# Altium PCB LimePSB-RPCM_1v3.PcbDoc (part 4 of 10) (continued)
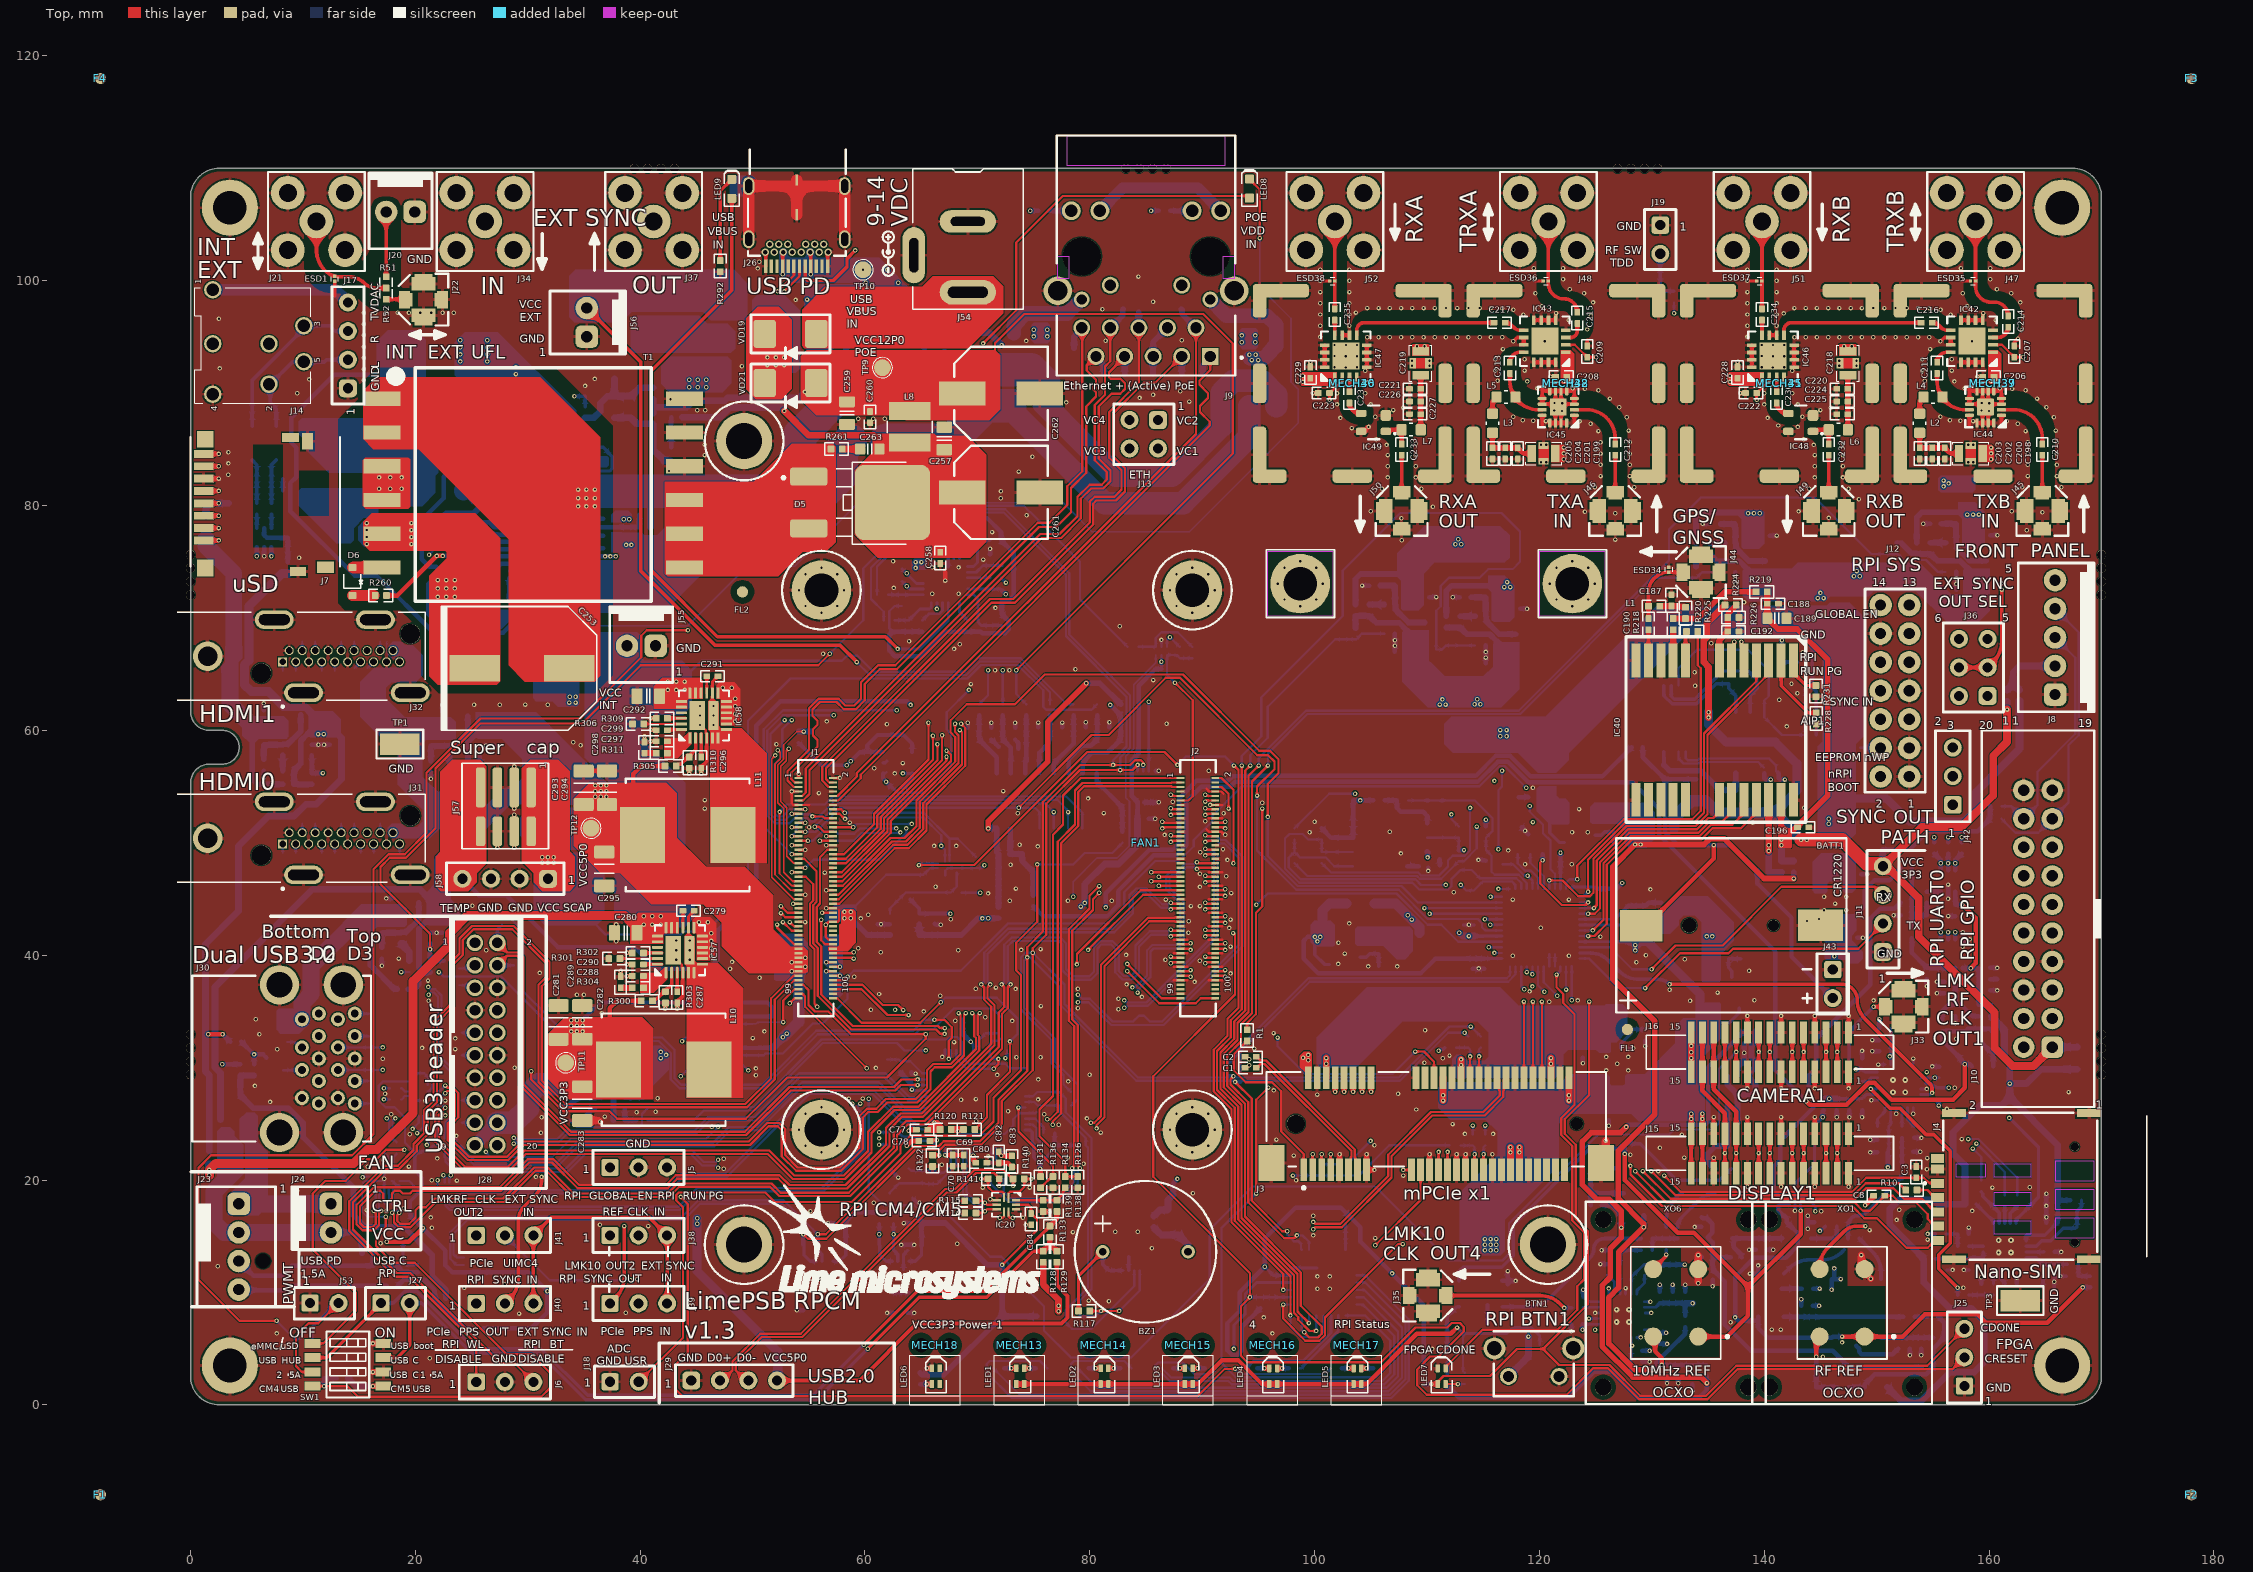
[diagram p0: Top view]
## Part data (continued)
T1: library part POE300F-50LD_transformer, DC Resistance (DCR)=61mR, Inductance=42uH, Isolation Voltage=1.5kV, Manufacturer=Coilcraft, Package Quantity=175, Resistance=0.061R, Supplier Part Number 1=994-POE300F-12LD, ComponentLink1Description=http://www.mouser.com/ds/2/597/poe300-463486.pdf?src-supplier=Mouser, ComponentLink1URL=http://www.mouser.com/ds/2/597/poe300-463486.pdf?src-supplier=Mouser, ComponentLink2Description=http://www.farnell.com/datasheets/1870433.pdf?src-supplier=Farnell, ComponentLink2URL=http://www.farnell.com/datasheets/1870433.pdf?src-supplier=Farnell, ComponentLink3Description=http://www.farnell.com/datasheets/1870433.pdf?src-supplier=Element14, ComponentLink3URL=http://www.farnell.com/datasheets/1870433.pdf?src-supplier=Element14, Height=11.43mm, Lead Free="Contains Lead", Length=21mm, Manufacturer Part Number 1=POE300F-12LD, Packaging="Tape and Reel", Part Description="Audio Transformers / Signal Transformers POE300F Flyback PoE+ 30uH 12 V 2.5 A", Pricing 1="1=6,63000, 10=5,98000, 50=5,31000, 100=4,65000, 1000=3,57000, 10000=3,57000 (USD)", REACH SVHC=Unknown, RoHS=Yes, RoHS Compliant=Yes, Stock 1=3045, Supplier 1=Mouser, Turns Ratio=1:0.33, Width=20.57mm
TP1 TP2 TP3 TP4: "Test Point PCB mount Miniature White", Color=Natural, Manufacturer="Harwin Inc", Manufacturer Part Number 1=S1751-46R, Supplier Part Number 1=952-1478-2-ND, Category="Test and Measurement", Material="Copper Alloy", Mounting Type="Surface Mount", Packaging="Tape & Reel (TR)", Part Description="Natural PC Test Point 0.128\" x 0.065\" x 0.079\" (3.25mm x 1.65mm x 2.00mm) Brass, Tin Plating Surface Mount Mounting Type", RoHS="RoHS Compliant", Supplier 1=Digi-Key, Terminal="0.128\" x 0.065\" x 0.079\" (3.25mm x 1.65mm x 2.00mm) Brass, Tin Plated", Type="PC Test Point"
TP5 TP6 TP7 TP8 TP9 TP10 TP11 TP12 TP13 TP14 TP15 TP16 TP17: "Test Point PCB mount Miniature White"
VD1 VD2 VD3 VD4 VD5 VD6 VD7 VD8 VD10 VD11 VD12 VD13 VD14 VD15 VD16 VD17: library part DIODE_TVS, Manufacturer="Sangdest Microelectronics", Manufacturer Part Number=SD03LCC, Supplier Part Number 1=1655-SD03LCCCT-ND, ComponentLink1Description=https://datasheet.ciiva.com/29588/littelfuse-tvs-diode-array-sp4020-datasheet-pdf-29588193.pdf?src-supplier=Digi-Key, ComponentLink1URL=https://datasheet.ciiva.com/29588/littelfuse-tvs-diode-array-sp4020-datasheet-pdf-29588193.pdf?src-supplier=Digi-Key, ComponentLink2Description=https://datasheet.ciiva.com/24111/littelfuse-sp4020-267385-24111169.pdf?src-supplier=Mouser, ComponentLink2URL=https://datasheet.ciiva.com/24111/littelfuse-sp4020-267385-24111169.pdf?src-supplier=Mouser, Manufacturer 1="Sangdest Microelectronics", Manufacturer Part Number 1=SD03LCC, Part Description="19V Clamp 20A (8/20µs) Ipp Tvs Diode Surface Mount SOD-323", Pricing 1="1=0,37000, 10=0,27300, 100=0,15460, 500=0,10240, 1000=0,07851 (USD)", RoHS=No, Stock 1=8808, Supplier 1=Digi-Key
VD9 VD19 VD20 VD21 VD23: library part DIODE_SCHOTTKY_SOD-523F, "Diode Schottky SMD SOD-523F", Capacitance @ Vr, F="250pF @ 4V, 1MHz", Current - Average Rectified (Io)=3A, Current - Reverse Leakage @ Vr="500µA @ 60V", Manufacturer="Micro Commercial Co", Manufacturer Part Number 1=SK36A-LTP, Operating Temperature - Junction="-50°C ~ 125°C", Package / Case="DO-214AC, SMA", Supplier Device Package="DO-214AC (SMA)", Supplier Part Number 1=SK36A-LTPMSCT-ND, Voltage - DC Reverse (Vr) (Max)=60V, Voltage - Forward (Vf) (Max) @ If="750mV @ 3A", Category="Discrete Semiconductor Products", Diode Type=Schottky, Mounting Type="Surface Mount", Packaging="Cut Tape (CT)", Part Description="DIODE SCHOTTKY 60V 3A DO214AC", Reverse Recovery Time (trr)=-, RoHS="RoHS Compliant", Speed="Fast Recovery =< 500ns, > 200mA (Io)", Supplier 1=Digi-Key
  VD9: Assembly Info=NF
VD18: library part DIODE_TVS_UNIDIR, Base Part Number=SMAJ58, Capacitance @ Frequency=-, Current - Peak Pulse (10/1000µs)=4.3A, Manufacturer="Diodes Incorporated", Manufacturer Part Number 1=SMAJ58A-13-F, Operating Temperature="-55°C ~ 150°C (TJ)", Package / Case="DO-214AC, SMA", Power - Peak Pulse=400W, Power Line Protection=No, Supplier Device Package=SMA, Supplier Part Number 1=SMAJ58A-13-FDICT-ND, Voltage - Breakdown (Min)=64.4V, Voltage - Clamping (Max) @ Ipp=93.6V, Voltage - Reverse Standoff (Typ)=58V, Applications="General Purpose", Category="Circuit Protection", Mounting Type="Surface Mount", Packaging="Cut Tape (CT)", Part Description="TVS DIODE 58V 93.6V SMA", Part Status=Active, RoHS="RoHS Compliant", Supplier 1=Digi-Key, Type=Zener
VD22: library part DIODE_TVS_UNIDIR, "SMAJ12CA-13-F", Breakdown Voltage=15.6V, Case/Package=DO-214AA, Clamping Voltage=23.2V, Manufacturer="Taiwan Semiconductor", Max Operating Temperature=150°C, Max Surge Current=100A, Min Operating Temperature=-65°C, Operating Supply Voltage=14V, Package Quantity=3000, Peak Pulse Power=600W, Supplier Part Number 1=SMBJ14AFSCT-ND, Assembly Info=NF, ComponentLink1Description=http://www.farnell.com/datasheets/2358777.pdf?src-supplier=Farnell, ComponentLink1URL=http://www.farnell.com/datasheets/2358777.pdf?src-supplier=Farnell, ComponentLink2Description=http://www.mouser.com/ds/2/395/SMBJ%20SERIES-231843.pdf?src-supplier=Mouser, ComponentLink2URL=http://www.mouser.com/ds/2/395/SMBJ%20SERIES-231843.pdf?src-supplier=Mouser, ComponentLink3Description=http://www.farnell.com/datasheets/2358777.pdf?src-supplier=Element14, ComponentLink3URL=http://www.farnell.com/datasheets/2358777.pdf?src-supplier=Element14, Height=2.44mm, Lead Free="Lead Free", Length=5.59mm, Manufacturer Part Number 1=SMBJ14A, Number of Channels=1, Number of Pins=2, Packaging="Tape and Reel", Part Description="23.2V Clamp 25.9A Ipp Tvs Diode Surface Mount DO-214AA (SMB)", Polarity=Unidirectional, Power Rating=600W, Pricing 1="1=0,54000, 10=0,46400, 100=0,34630, 500=0,27212, 1000=0,21028 (USD)", RoHS=Yes, RoHS Compliant=Yes, Stock 1=17494, Supplier 1=Digi-Key, Voltage Rating (DC)=14V, Width=3.94mm
VT1 VT2: library part NDS331N, "NDS331N", Current - Continuous Drain (Id) @ 25°C="6.3A (Ta)", Drive Voltage (Max Rds On,  Min Rds On)="2.5V, 4.5V", Input Capacitance (Ciss) (Max) @ Vds="700pF @ 16V", Manufacturer="Infineon Technologies", Manufacturer Part Number 1=IRLML6244TRPBF, Operating Temperature="-55°C ~ 150°C (TJ)", Package / Case="TO-236-3, SC-59, SOT-23-3", Power Dissipation (Max)="1.3W (Ta)", Supplier Device Package=Micro3™/SOT-23, Supplier Part Number 1=IRLML6244TRPBFTR-ND, Category="Discrete Semiconductor Products", ComponentLink1Description=https://www.infineon.com/dgdl/irlml6244pbf.pdf?fileId=5546d462533600a4015356686fed261f, ComponentLink1URL=https://www.infineon.com/dgdl/irlml6244pbf.pdf?fileId=5546d462533600a4015356686fed261f, FET Feature=-, FET Type=N-Channel, Gate Charge (Qg) (Max) @ Vgs="8.9nC @ 4.5V", Mounting Type="Surface Mount", Packaging="Tape & Reel (TR)", Part Description="N-Channel 20V 6.3A (Ta) 1.3W (Ta) Surface Mount Micro3™/SOT-23", Part Status=Active, Pricing 1="3000=0.09979 (USD)", Rds On (Max) @ Id, Vgs="21 mOhm @ 6.3A, 4.5V", RoHS="RoHS Compliant", Stock 1=21000, Supplier 1=Digi-Key, Technology="MOSFET (Metal Oxide)", Vgs (Max)=±12V, Vgs(th) (Max) @ Id="1.1V @ 10µA"
VT3: library part FDMS86250_NMOS, "MOSFET FET 150V 25.0 MOHM PQFN56", Continuous Drain Current (ID)=6.7A, Drain to Source Breakdown Voltage=150V, Drain to Source Resistance=33mR, Gate to Source Voltage (Vgs)=20V, Input Capacitance=2.33nF, Manufacturer="ON Semiconductor / Fairchild", Max Operating Temperature=150°C, Max Power Dissipation=2.5W, Min Operating Temperature=-55°C, Package Quantity=3000, Power Dissipation=96W, Supplier Part Number 1=512-FDMS86250, ComponentLink1Description=https://datasheet.ciiva.com/15043/fdms86250-15043510.pdf?src-supplier=Digi-Key, ComponentLink1URL=https://datasheet.ciiva.com/15043/fdms86250-15043510.pdf?src-supplier=Digi-Key, ComponentLink2Description=https://datasheet.ciiva.com/4440/fdms86250-103923-4440671.pdf?src-supplier=Mouser, ComponentLink2URL=https://datasheet.ciiva.com/4440/fdms86250-103923-4440671.pdf?src-supplier=Mouser, ComponentLink3Description=https://datasheet.ciiva.com/15043/fdms86250-15043511.pdf?src-supplier=Digi-Key, ComponentLink3URL=https://datasheet.ciiva.com/15043/fdms86250-15043511.pdf?src-supplier=Digi-Key, ComponentLink4Description=https://datasheet.ciiva.com/15043/fdms86250-15043512.pdf?src-supplier=Digi-Key, ComponentLink4URL=https://datasheet.ciiva.com/15043/fdms86250-15043512.pdf?src-supplier=Digi-Key, Drain to Source Voltage (Vdss)=150V, Element Configuration=Single, Fall Time=4.2ns, Height=1.05mm, Lead Free="Lead Free", Length=5mm, Manufacturer Part Number=FDMS86250, Manufacturer Part Number 1=FDMS86250, Mount="Surface Mount", Number of Elements=1, Number of Pins=8, Packaging="Tape and Reel", Part Description="MOSFET FET 150V 25.0 MOHM PQFN56", Pricing 1="1=2,77000, 10=2,50000, 50=2,36000, 100=2,01000, 1000=1,37000, 10000=1,32000 (USD)", Radiation Hardening=No, Rds On Max=25mR, Rise Time=4.3ns, RoHS=Yes, Stock 1=2961, Supplier 1=Mouser, Turn-Off Delay Time=22ns, Turn-On Delay Time=14ns, Weight=0.0681g, Width=6mm
VT4: library part BFT92,215_PNP, Case/Package=TO-236AB, Collector Base Voltage (VCBO)=20V, Collector Emitter Breakdown Voltage=15V, Continuous Collector Current=-25mA, Emitter Base Voltage (VEBO)=2V, Frequency=5GHz, Manufacturer="NXP Semiconductors", Manufacturer Part Number=BFT92215, Max Collector Current=25mA, Max Operating Temperature=175°C, Max Power Dissipation=300mW, Min Operating Temperature=-65°C, Package Quantity=1, Supplier Part Number 1=568-1655-1-ND, Collector Emitter Voltage (VCEO)=15V, ComponentLink1Description=https://datasheet.ciiva.com/29696/1323776-29696333.pdf?src-supplier=Jameco, ComponentLink1URL=https://datasheet.ciiva.com/29696/1323776-29696333.pdf?src-supplier=Jameco, ComponentLink2Description=https://datasheet.ciiva.com/965/bft92-cnv-965053.pdf?src-supplier=Digi-Key, ComponentLink2URL=https://datasheet.ciiva.com/965/bft92-cnv-965053.pdf?src-supplier=Digi-Key, ComponentLink3Description=https://datasheet.ciiva.com/6362/bft92-cnv-6362733.pdf?src-supplier=Digi-Key, ComponentLink3URL=https://datasheet.ciiva.com/6362/bft92-cnv-6362733.pdf?src-supplier=Digi-Key, ComponentLink4Description=https://datasheet.ciiva.com/965/bft92-cnv-965054.pdf?src-supplier=Digi-Key, ComponentLink4URL=https://datasheet.ciiva.com/965/bft92-cnv-965054.pdf?src-supplier=Digi-Key, ComponentLink5Description=https://datasheet.ciiva.com/16221/bft92-cnv-16221865.pdf?src-supplier=Future+Electronics, ComponentLink5URL=https://datasheet.ciiva.com/16221/bft92-cnv-16221865.pdf?src-supplier=Future+Electronics, ComponentLink6Description=https://datasheet.ciiva.com/11198/bft92-cnv-11198214.pdf?src-supplier=Avnet, ComponentLink6URL=https://datasheet.ciiva.com/11198/bft92-cnv-11198214.pdf?src-supplier=Avnet, ComponentLink7Description=https://datasheet.ciiva.com/11204/bft92-cnv-11204747.pdf?src-supplier=Avnet, ComponentLink7URL=https://datasheet.ciiva.com/11204/bft92-cnv-11204747.pdf?src-supplier=Avnet, ComponentLink8Description=https://datasheet.ciiva.com/11204/bft92-cnv-11204828.pdf?src-supplier=Avnet, ComponentLink8URL=https://datasheet.ciiva.com/11204/bft92-cnv-11204828.pdf?src-supplier=Avnet, Contact Plating=Tin, Element Configuration=Single, Gain=18dB, Gain Bandwidth Product=5GHz, Height=1mm, hFE Min=50, Lead Free="Lead Free", Length=3mm, Manufacturer Part Number 1=BFT92215, Max Breakdown Voltage=15V, Max Frequency=5GHz, Mount="Surface Mount", Number of Elements=1, Number of Pins=3, Output Power=300mW, Packaging="Tape and Reel", Part Description="RF TRANS PNP 15V 5GHZ TO236AB", Polarity=PNP, Power Dissipation=300mW, Radiation Hardening=No, REACH SVHC="No SVHC", RoHS=Yes, Series=-, Stock 1=0, Supplier 1=Digi-Key, Transition Frequency=5GHz, Weight=0.00709oz, Width=1.4mm
XO1: library part AOCJYR-10.000MHz, Frequency Nom, MHz=30.72, Frequency Stability +/-, ppb=20, Manufacturer=Rakon, Oscillator Case="SMD, 9.7mm x 7.5", Supplier Part Number 1=U7475LF, Supply Voltage Nom=3.3, Manufacturer Part Number 1="U7475LF 30.72MHz", Oscillator Output Compatibility=CMOS, Part Description="ROM9070SA 30.72MHz MERC+ 9x7 HOT RC2.5 3.3V PULL", Supplier 1=Rakon
XO2 XO7: library part RPT7050A, Manufacturer=Rakon, Manufacturer Part Number 1=E6245LF, Assembly Info=NF, Part Description="TCXO 30.72MHz, E6245LF", Supplier 1=Rakon, Supplier Part Number 1=E6245LF
XO3 XO8: library part TXCO, Manufacturer=Rakon, Manufacturer Part Number 1=E5280LF, Assembly Info=NF, Part Description="TCXO 30.72MHz, E5280LF", Supplier 1=Rakon, Supplier Part Number 1=E5280LF
XO4 XO9: library part Rakon_RTX5032A, Manufacturer=Rakon, Manufacturer Part Number 1=RTX5032A, Assembly Info=NF, Part Description="RTX5032A 40MHz, High performance TCXO, With VC, Filter Enabled, 10-pin 5mm x 3.2 mm x 1.65 mm package", Supplier 1=RAKON, Supplier Part Number 1=RTX5032A
XO5 XO10: library part ASVTX-12-A-38.400MHZ-H10-T_CRYSTAL, "Oscillator Crystal", Case/Package=SMD/SMT, Frequency=38.4MHz, Frequency Stability=1ppm, Manufacturer=Abracon, Manufacturer Part Number 1=ASVTX-12-A-38.400MHZ-H10-T, Max Operating Temperature=85°C, Max Supply Current=2.5mA, Min Operating Temperature=-30°C, Operating Supply Voltage=3V, Package Quantity=1000, Supplier Part Number 1=535-11790-1-ND, Assembly Info=NF, ComponentLink1Description=https://datasheet.ciiva.com/5466/astx12-asvtx12-8609-5466673.pdf?src-supplier=Mouser, ComponentLink1URL=https://datasheet.ciiva.com/5466/astx12-asvtx12-8609-5466673.pdf?src-supplier=Mouser, ComponentLink2Description=https://datasheet.ciiva.com/867/astx12-asvtx12-867453.pdf?src-supplier=Digi-Key, ComponentLink2URL=https://datasheet.ciiva.com/867/astx12-asvtx12-867453.pdf?src-supplier=Digi-Key, ComponentLink3Description=https://datasheet.ciiva.com/867/astx12-asvtx12-867454.pdf?src-supplier=Digi-Key, ComponentLink3URL=https://datasheet.ciiva.com/867/astx12-asvtx12-867454.pdf?src-supplier=Digi-Key, ComponentLink4Description=https://datasheet.ciiva.com/867/astx12-asvtx12-867455.pdf?src-supplier=Digi-Key, ComponentLink4URL=https://datasheet.ciiva.com/867/astx12-asvtx12-867455.pdf?src-supplier=Digi-Key, Height=0.035inch, Length=0.098inch, Mount="Surface Mount", Packaging="Tape and Reel", Part Description="38.4MHz VCTCXO Clipped Sine Wave Oscillator 3V  4-SMD, No Lead", Pricing 1="1 = 3,58000, 10 = 3,41000, 50 = 3,23960, 100 = 2,89850, 500 = 2,72800 (USD)", RoHS=Yes, Stock 1=1680, Supplier 1=Digi-Key, Termination=SMD/SMT, Width=0.079inch
XO6: library part AOCJYR-10.000MHz, Frequency Nom, MHz=10.0, Frequency Stability +/-, ppb=20, Manufacturer=Rakon, Manufacturer Part Number 1=U8073LF, Oscillator Case="SMD, 9.7mm x 7.5", Supply Voltage Nom=3.3, Oscillator Output Compatibility=CMOS, Part Description="ROM9070PA 10.0MHz MERC+ 9x7 HOT CMOS 3.3V PULL", Supplier 1=Rakon, Supplier Part Number 1=U8073LF
XT1: library part CRYSTAL_2PIN_RTC_RT3215, Manufacturer="Raltron Electronics", Manufacturer Part Number 1=RT3215-32.768-12.5-TR-10PPM, Supplier Part Number 1=2151-RT3215-32.768-12.5-TR-10PPMTR-ND, ComponentLink1Description=https://datasheet.octopart.com/RT3215-32.768-12.5-TR-10PPM-Raltron-Electronics-datasheet-12522443.pdf?src-supplier=Future+Electronics, ComponentLink1URL=https://datasheet.octopart.com/RT3215-32.768-12.5-TR-10PPM-Raltron-Electronics-datasheet-12522443.pdf?src-supplier=Future+Electronics, ComponentLink2Description=https://datasheet.octopart.com/RT3215-32.768-12.5-TR-10PPM-Raltron-Electronics-datasheet-62112304.pdf?src-supplier=Future+Electronics, ComponentLink2URL=https://datasheet.octopart.com/RT3215-32.768-12.5-TR-10PPM-Raltron-Electronics-datasheet-62112304.pdf?src-supplier=Future+Electronics, ComponentLink3Description=https://datasheet.octopart.com/RT3215-32.768-12.5-TR-10PPM-Raltron-Electronics-datasheet-82614827.pdf?src-supplier=Future+Electronics, ComponentLink3URL=https://datasheet.octopart.com/RT3215-32.768-12.5-TR-10PPM-Raltron-Electronics-datasheet-82614827.pdf?src-supplier=Future+Electronics, Lead Free="Lead Free", Part Description="32.768 kHz ±10ppm Crystal 12.5pF 70 kOhms 2-SMD, No Lead", Pricing 1="3000=0,39875, 6000=0,38500, 15000=0,37125 (USD)", RoHS Compliant=Yes, Stock 1=21000, Supplier 1=Digi-Key
XT2: library part CRYSTAL_19M2, "Oscillator Crystal 25 MHz", Manufacturer=Abracon, Manufacturer Part Number 1=ABM8-24.000MHZ-D1G-T, Supplier Part Number 1=535-14395-1-ND, ComponentLink1Description=https://abracon.com/Resonators/abm8.pdf?src-supplier=Digi-Key, ComponentLink1URL=https://abracon.com/Resonators/abm8.pdf?src-supplier=Digi-Key, Part Description="24 MHz ±10ppm Crystal 18pF 50 Ohms 4-SMD, No Lead", Pricing 1="1=0,47000, 10=0,39100, 50=0,35220, 100=0,31310, 500=0,29744 (USD)", RoHS=Yes, RoHS Compliant=Yes, Stock 1=15503, Supplier 1=Digi-Key

## Free pads (board coordinates)
  round 0.8 hole 0.8 unplated: 0(0,29.375) 0(0,30.55) 0(0,31.75) 0(0,32.95) 0(0,72.05) 0(0,73.25) 0(0,74.45) 0(0,75.625) 0(39.475,110) 0(40.65,110) 0(41.85,110) 0(43.05,110) 0(83.212,110) 0(84.387,110) 0(85.587,110) 0(86.788,110) 0(126.95,110) 0(128.15,110) 0(129.35,110) 0(130.525,110) 0(170,29.375) 0(170,30.55) 0(170,31.75) 0(170,32.95) 0(170,72.05) 0(170,73.25) 0(170,74.45) 0(170,75.625)
  round 5.3 hole 3 unplated mask+0.05: 1(56.125,24.475) 1(56.125,72.475) 1(89.125,24.475) 1(89.125,72.475)
  rrect20% 0.5x0.6 smd far side mask+0.05: 2(130.825,43.325) 2(130.825,44.325)

## Via types
v1: diameter 0.4, hole 0.2, Top to Bottom, tented both sides, 1728 vias
v2: diameter 0.5, hole 0.2, Top to Bottom, tented both sides, 24 vias

## Nets (pads, with @x,y where several pads share a name; then routed paths per layer and width w, separated by ;. In a path a pad name is that pad's centre, name@x,y a point inside that pad or via, vN(x,y) a via of type N, cw(c..) or ccw(c..) an arc to the next point about the centre after c; other vN are vias at no path point)
ADC_USR: J18.2 R46.1 | length 83.8
  Top w0.2: J18.2@39.87,2.05 43.8,5.98 43.8,17.575 43.2,18.175 43.2,18.666 43.434,18.9 51.125,18.9 51.975,18.05 58.825,18.05 63.163,22.388 63.163,23.088 64.025,23.95 70.175,23.95 71.425,25.2 71.425,27.325 73.875,29.775 73.875,38.225 73.45,38.65 73.45,41.1 75.325,42.975 v1(75.325,48.075)
  Bottom w0.2: v1(75.325,48.075) 78.536,48.075 79.561,49.1 82,49.1 R46.1@82.9,50
ADC_USR_DIV: C33.1 IC6.8 R46.2 R50.1 | length 6.2
  Bottom w0.4: IC6.8@80.603,56.177 80.603,55.358 80.692,55.358 82.8,53.25 82.8,53.2 82.85,53.15 C33.1@82.9,53.15 R50.1@82.9,52.1 R46.2@82.9,51
ADF_MUXOUT: IC34.15 J1.56 R191.1 | length 163.7
  Top w0.2: J1.56@57.165,44.975 57.676,44.975 62.526,49.825 63.774,49.825 65.175,51.226 65.175,53.524 68.625,56.974 68.625,59.825 v1(68.425,60.025)
  L3 w0.1: v1(68.425,60.025) 99.142,60.025 105.467,53.7 120.088,53.7 120.588,54.2 133.846,54.2 137.746,58.1 143.694,58.1 150.454,51.34 157.902,51.34 161.042,48.2 166.05,48.2 167.2,47.05 167.2,30.925 v1(161.8,25.525)
  Bottom w0.3: v1(161.8,25.525) 164.4,22.925 164.4,18.45 R191.1@163.6,17.65 162.4,16.45 IC34.15@162.4,16.15
AUDIO_L: C22.1 J14.2 J14.5 J17.2 R35.1 | length 11.8
  Bottom w0.325: C22.1@7.625,87.05 R35.1@7.625,88.6 7.1,89.125 7.1,90.8 9.078,92.778 11.903,92.778 12.104,92.979 J17.2@14,92.979
AUDIO_R: C25.1 J14.3 J17.3 R37.2 | length 14.8
  Bottom w0.325: C25.1@5.475,87.05 5.475,91.125 10.35,96 12.4,96 12.879,95.521 J17.3@14,95.521
BOM_VER0: IC17.26 R96.1 | length 8.6
  Top w0.2: v1(120.275,48.45) 120.075,48.25 120.075,46.375 121.975,44.475 124.1,44.475 v1(124.325,44.7)
  Bottom w0.2: IC17.26@123.575,44.7 v1(124.325,44.7)
  Bottom w0.4: v1(120.275,48.45) R96.1@120.275,49
BOM_VER1: IC17.19 R97.1 | length 3.6
  Bottom w0.2: R97.1@119.175,49 119.175,48.224 120.375,47.024 IC17.19@120.375,45.9
BOM_VER2: IC17.18 R98.1 | length 4.2
  Bottom w0.2: R98.1@118.075,49 118.075,48.175 118.725,47.525 119.25,47.525 119.875,46.9 IC17.18@119.875,45.9
BUZZER: J1.34 R28.1 R31.1 VT1.G | length 57
  Top w0.2: J1.34@57.165,49.375 56.65,49.375 55.995,48.72 55.995,44.595 55.7,44.3 55.7,41.174 56.1,40.774 56.1,36.507 58.907,33.7 66.488,33.7 66.663,33.525 v1(67.1,33.525)
  L3 w0.1: v1(67.1,33.525) 67.425,33.2 74.7,33.2 v1(87.8,20.1)
  Bottom w0.4: R31.1@87.41,18.69 87.41,19.71 v1(87.8,20.1)
  Bottom w0.6: R28.1@85.685,16.79 86.224,17.329 86.9,17.329 86.953,17.383 86.953,18.233 R31.1@87.41,18.69
CAM1_CLK_N: J2.27 J16.8 | length 75.8
  Top w0.2: v1(87.2,50.675) 87.3,50.575 J2.27@88.085,50.575
  Top w0.325: J16.8@140.5,29.625 v1(140.5,31.4) J16.8@140.5,33.125
  L3 w0.1: v1@87.209,50.675 87.409,50.475 87.933,50.475 88.783,49.625 89.325,49.625 89.575,49.875 89.575,50.225 88.9,50.9 88.9,54.158 89.692,54.95 91.208,54.95 91.675,54.483 91.675,53.908 91.883,53.7 92.925,53.7 93.15,53.925 93.15,54.55 93.55,54.95 95,54.95 116.95,33 139.8,33 140.1,32.7 140.1,31.8 v1(140.5,31.4)
CAM1_CLK_P: J2.29 J16.9 | length 75.5
  Top w0.2: v1(87.2,50.075) 87.3,50.175 J2.29@88.085,50.175
  Top w0.325: J16.9@139.5,29.625 v1(139.5,31.4) J16.9@139.5,33.125
  L3 w0.1: v1@87.209,50.075 87.409,50.275 87.85,50.275 88.7,49.425 89.408,49.425 89.775,49.792 89.775,50.308 89.1,50.983 89.1,54.075 89.775,54.75 91.125,54.75 91.475,54.4 91.475,53.825 91.8,53.5 93.008,53.5 93.35,53.842 93.35,54.467 93.633,54.75 94.917,54.75 99.907,49.76 116.867,32.8 139.717,32.8 139.9,32.617 139.9,31.8 v1(139.5,31.4)
CAM1_D0_N: J2.15 J16.2 | length 76.5
  Top w0.2: v1(87.2,53.075) 87.3,52.975 J2.15@88.085,52.975
  Top w0.325: J16.2@146.5,29.625 v1(146.5,31.4) J16.2@146.5,33.125
  L3 w0.1: v1@87.209,53.075 87.409,52.875 87.725,52.875 87.925,53.075 87.925,54.725 89.15,55.95 96.935,55.95 117.61,35.275 143.175,35.275 146.1,32.35 146.1,31.8 v1(146.5,31.4)
CAM1_D0_P: J2.17 J16.3 | length 76.2
  Top w0.2: v1(87.2,52.475) 87.3,52.575 J2.17@88.085,52.575
  Top w0.325: J16.3@145.5,29.625 v1(145.5,31.4) J16.3@145.5,33.125
  L3 w0.1: v1@87.209,52.475 87.409,52.675 87.808,52.675 88.125,52.992 88.125,54.642 89.233,55.75 96.852,55.75 117.527,35.075 143.092,35.075 145.9,32.267 145.9,31.8 v1(145.5,31.4)
CAM1_D1_N: J2.21 J16.5 | length 75.5
  Top w0.2: v1(86.45,51.875) 86.55,51.775 J2.21@88.085,51.775
  Top w0.325: J16.5@143.5,29.625 v1(143.5,31.4) J16.5@143.5,33.125
  L3 w0.1: v1@86.459,51.875 86.659,51.675 87.925,51.675 88.45,52.2 88.45,54.483 89.392,55.425 95.883,55.425 117.233,34.075 141.4,34.075 143.1,32.375 143.1,31.8 v1(143.5,31.4)
CAM1_D1_P: J2.23 J16.6 | length 75.1
  Top w0.2: v1(86.45,51.275) 86.55,51.375 J2.23@88.085,51.375
  Top w0.325: J16.6@142.5,29.625 v1(142.5,31.4) J16.6@142.5,33.125
  L3 w0.1: v1@86.459,51.275 86.659,51.475 88.008,51.475 88.65,52.117 88.65,52.6 88.65,54.4 89.475,55.225 95.8,55.225 117.15,33.875 141.317,33.875 142.9,32.292 142.9,31.8 v1(142.5,31.4)
CAM1_GPIO0: J1.97 J16.11 | length 132.5
  Top w0.2: J1.97@54.085,36.575 54.425,36.575 54.675,36.325 54.675,35.425 v1(60.15,29.95)
  Top w0.325: J16.11@137.5,29.625 v1(137.5,31.4) J16.11@137.5,33.125
  L3 w0.1: v1(60.15,29.95) 60.15,29.916 60.325,29.741 v1(60.325,27.225)
  Bottom w0.2: v1(60.325,27.225) 60.325,19.075 61.65,17.75 64.375,17.75 65.325,16.8 67.525,16.8 71.15,13.175 72.15,13.175 72.8,12.525 72.8,11.9 75.925,8.775 75.925,6.6 78.323,4.202 83.677,4.202 90.675,11.2 90.675,15.6 94.5,19.425 105.4,19.425 111.975,12.85 116.725,12.85 117.3,13.425 117.3,16.125 125.225,24.05 131.525,24.05 131.975,24.5 135.425,24.5 135.975,25.05 135.975,29.875 v1(137.5,31.4)
CAM1_GPIO1: J16.12 | length 3.5
  Top w0.325: J16.12@136.5,29.625 136.5,31.4 J16.12@136.5,33.125
DSI1_CLK_N: J2.87 J15.5 | length 80.4
  Top w0.2: J2.87@88.085,38.575 88.87,38.575 v1(88.97,38.675)
  Top w0.325: J15.5@143.5,20.625 v1(143.5,22.4) J15.5@143.5,24.125
  L3 w0.1: v1(88.97,38.675) 88.979,38.675 89.179,38.475 89.508,38.475 90.05,37.933 90.725,37.258 90.725,36.31 ccw(c90.985,36.31) 90.985,36.05 92.003,36.05 cw(c92.003,35.59) 92.463,35.59 92.463,35.51 cw(c92.003,35.51) 92.003,35.05 89.279,35.05 ccw(c89.279,34.79) 89.019,34.79 89.019,34.71 ccw(c89.279,34.71) 89.279,34.45 90.265,34.45 cw(c90.265,33.99) 90.725,33.99 90.725,29.708 93.975,26.458 93.975,23.85 98.425,19.4 136.525,19.4 138.35,21.225 140.15,21.225 141.75,22.825 143.075,22.825 v1(143.5,22.4)
DSI1_CLK_P: J2.89 J15.6 | length 80.2
  Top w0.2: J2.89@88.085,38.175 88.87,38.175 v1(88.97,38.075)
  Top w0.325: J15.6@142.5,20.625 v1(142.5,22.4) J15.6@142.5,24.125
  L3 w0.1: v1(88.97,38.075) 88.979,38.075 89.179,38.275 89.425,38.275 90.525,37.175 90.525,36.31 ccw(c90.985,36.31) 90.985,35.85 92.003,35.85 cw(c92.003,35.59) 92.263,35.59 92.263,35.51 cw(c92.003,35.51) 92.003,35.25 89.279,35.25 ccw(c89.279,34.79) 88.819,34.79 88.819,34.71 ccw(c89.279,34.71) 89.279,34.25 90.265,34.25 cw(c90.265,33.99) 90.525,33.99 90.525,29.625 93.775,26.375 93.775,23.767 98.342,19.2 136.608,19.2 138.433,21.025 140.233,21.025 141.079,21.871 141.304,21.871 141.525,21.65 141.7,21.65 141.9,21.85 141.9,22.025 141.65,22.275 141.65,22.442 141.833,22.625 142.275,22.625 v1(142.5,22.4)
DSI1_D0_N: J2.75 J15.8 | length 80.5
  Top w0.2: J2.75@88.085,40.975 88.87,40.975 v1(88.97,41.075)
  Top w0.325: J15.8@140.5,20.625 v1(140.5,22.4) J15.8@140.5,24.125
  L3 w0.1: v1@88.961,41.075 v1(88.97,41.075) 89.17,40.875 90.933,40.875 92.021,39.787 92.713,39.787 93.775,38.725 93.775,37.95 93.775,34.335 ccw(c94.035,34.335) 94.035,34.075 95.093,34.075 cw(c95.093,33.615) 95.553,33.615 95.553,33.535 cw(c95.093,33.535) 95.093,33.075 92.007,33.075 ccw(c92.007,32.815) 91.747,32.815 91.747,32.735 ccw(c92.007,32.735) 92.007,32.475 93.315,32.475 cw(c93.315,32.015) 93.775,32.015 93.775,27.808 94.675,26.908 94.675,24.633 99.358,19.95 135.9,19.95 138.775,22.825 140.075,22.825 v1(140.5,22.4)
DSI1_D0_P: J2.77 J15.9 | length 80.4
  Top w0.2: J2.77@88.085,40.575 88.87,40.575 v1(88.97,40.475)
  Top w0.325: J15.9@139.5,20.625 v1(139.5,22.4) J15.9@139.5,24.125
  L3 w0.1: v1@88.961,40.475 v1(88.97,40.475) 89.17,40.675 90.85,40.675 91.938,39.587 92.63,39.587 93.575,38.642 93.575,37.95 93.575,34.335 ccw(c94.035,34.335) 94.035,33.875 95.093,33.875 cw(c95.093,33.615) 95.353,33.615 95.353,33.535 cw(c95.093,33.535) 95.093,33.275 92.007,33.275 ccw(c92.007,32.815) 91.547,32.815 91.547,32.735 ccw(c92.007,32.735) 92.007,32.275 93.315,32.275 cw(c93.315,32.015) 93.575,32.015 93.575,27.725 94.475,26.825 94.475,24.55 99.275,19.75 135.958,19.75 135.983,19.75 138.116,21.884 138.291,21.884 138.55,21.625 138.775,21.625 138.925,21.775 138.925,21.975 138.691,22.209 138.691,22.459 138.858,22.625 139.275,22.625 v1(139.5,22.4)
DSI1_D1_N: J2.81 J15.2 | length 80.3
  Top w0.2: v1(87.2,39.875) 87.3,39.775 J2.81@88.085,39.775
  Top w0.325: J15.2@146.5,20.625 v1(146.5,22.4) J15.2@146.5,24.125
  L3 w0.1: v1@87.191,39.875 v1(87.2,39.875) 87.4,39.675 87.729,39.675 88.325,39.079 88.325,30.875 93.15,26.05 93.15,23.775 97.975,18.95 139.042,18.95 140.642,20.55 142.475,20.55 144.75,22.825 146.075,22.825 v1(146.5,22.4)
DSI1_D1_P: J2.83 J15.3 | length 80.1
  Top w0.2: v1(87.2,39.275) 87.3,39.375 J2.83@88.085,39.375
  Top w0.325: J15.3@145.5,20.625 v1(145.5,22.4) J15.3@145.5,24.125
  L3 w0.1: v1@87.191,39.275 v1(87.2,39.275) 87.4,39.475 87.646,39.475 88.125,38.996 88.125,30.792 92.95,25.967 92.95,23.692 97.892,18.75 139.125,18.75 140.725,20.35 142.558,20.35 144.079,21.871 144.304,21.871 144.525,21.65 144.7,21.65 144.9,21.85 144.9,22.025 144.65,22.275 144.65,22.442 144.833,22.625 145.275,22.625 v1(145.5,22.4)
EN_CM5_USB3: IC1.6 IC17.4 IC25.10 IC26.10 IC28.6 IC29.6 R150.1 R151.1 SW1.4 | length 201.5
  Top w0.2: SW1.4@10.85,1.66 13.965,1.66 14.9,0.725 31.2,0.725 31.975,1.5 31.975,2.85 30.325,4.5 28.1,4.5 19.95,12.65 18,12.65 16.5,14.15 16.5,14.95 17.375,15.825 v1(17.375,16.725)
  L3 w0.15: v1(21.975,19.975) 22.375,19.575 23.95,19.575 26.275,21.9 v1(26.275,22.5)
  L4 w0.1: v1(46.925,24.725) 66.975,44.775 72.15,44.775 72.575,45.2 v1(78.525,45.2) 86.5,45.2 86.675,45.375 87.925,45.375 88.25,45.05 91.183,45.05 91.733,44.5 v1(94.825,44.5)
  L4 w0.15: v1(17.375,16.725) 19.025,16.725 21.975,19.675 v1(21.975,19.975) 21.975,20.975 21.025,21.925 v1(21.025,23.125)
  Bottom w0.15: IC29.6@15.846,19.525 15.525,19.525 15.275,19.275 15.275,17.15 15.7,16.725 v1(17.375,16.725) ; v1(21.025,23.125) 21.375,23.475 IC26.10@21.975,23.475 21.975,25 21.5,25.475 IC28.6@21.5,25.698 ; IC25.10@21.975,19.55 v1(21.975,19.975) ; v1@26.275,22.475 26.7,22.05 32.2,22.05 33.825,23.675 45.875,23.675 v1(46.925,24.725) ; v1(78.525,45.2) 78.525,46.543 80.632,48.65 82.428,48.65 83.525,49.747 83.525,53.675 83.2,54 83.2,57.686 83.9,58.386 83.9,64.05 85.875,66.025 IC1.6@85.875,66.712
  Bottom w0.2: v1(94.825,44.5) 95.825,45.5 107.275,45.5 110.075,42.7 111.275,42.7 112.775,41.2 IC17.4@116.675,41.2
  Bottom w0.4: v1(11.875,1.65) R151.1@11.875,2.375 R150.1@13.012,2.374 R150.1@13.012,2.374
EN_RXA_LNA: IC13.26 IC53.3 R240.2 R250.1 | length 75.6
  Top w0.2: v1(94.275,56.875) 93.825,56.425 93.825,35.076 92.85,34.101 92.85,32.576 91.625,31.351 91.625,28.124 93.2,26.549 93.2,16.499 98.175,11.524 98.175,8.191 98.25,8.116 98.25,8.101 98.55,7.801 98.55,7.575 99.55,6.575 v1(100.15,6.575)
  Bottom w0.2: v1(94.275,56.875) 94.275,57.8 95.825,59.35 95.825,62.1 101.825,68.1 R250.1@102.55,68.1 103.7,68.1 104.2,68.6 IC53.3@106.2,68.6 ; v1(100.15,6.575) IC13.26@100.15,7.95
EN_RXB_LNA: IC13.28 IC51.3 R238.2 R248.1 | length 107.4
  Top w0.2: v1(95.85,56.875) 94.425,55.45 94.425,34.828 93.45,33.853 93.45,32.328 92.225,31.103 92.225,28.372 93.8,26.797 93.8,16.747 98.775,11.772 98.775,8.825 100.625,6.975 100.625,6.325 100.3,6 99.525,6 v1(99.075,6.45)
  Bottom w0.2: v1(95.85,56.875) 95.85,57.951 99.349,61.45 107.749,61.45 118.274,61.45 118.45,61.626 130.399,73.575 R248.1@132.825,73.575 133.975,73.575 134.472,74.072 IC51.3@136.487,74.072 ; IC13.28@98.85,7.95 98.85,6.675 v1(99.075,6.45)
EN_TXA_PA: IC13.25 IC52.3 R239.2 R249.1 | length 118.2
  Top w0.2: v1(93.525,56.875) 93.525,35.201 92.55,34.226 92.55,32.701 91.325,31.476 91.325,27.999 92.9,26.424 92.9,16.374 97.85,11.424 v1(97.85,7.95)
  Bottom w0.2: v1(93.525,56.875) 93.525,57.725 95.25,59.45 95.25,62.925 102.5,70.175 102.5,74.225 107.625,79.35 116.625,79.35 118.275,77.7 118.275,75 117.623,74.348 115.448,74.348 114.675,73.575 111.95,73.575 111.225,72.85 111.225,71.05 110.825,70.65 R239.2@110.825,67.2 111.325,67.2 111.685,67.56 IC52.3@114.277,67.56 ; v1(97.85,7.95) 97.85,7 98.825,6.025 100.325,6.025 100.8,6.5 IC13.25@100.8,7.95
EN_TXB_PA: IC13.27 IC50.3 R237.2 R247.1 | length 130.4
  Top w0.2: v1(95.025,56.875) 94.125,55.975 94.125,34.952 93.15,33.977 93.15,32.452 91.925,31.227 91.925,28.248 93.5,26.673 93.5,16.623 98.475,11.648 98.475,8.315 98.55,8.24 98.55,8.225 v1(99.5,7.275)
  Bottom w0.2: v1(95.025,56.875) 95.025,57.55 99.225,61.75 107.625,61.75 118.15,61.75 131.525,75.125 131.525,77.875 134.375,80.725 144.5,80.725 149.525,75.7 R247.1@150.625,75.7 R237.2@151.85,75.7 152.4,75.15 154.4,75.15 155.45,74.1 IC50.3@156.125,74.1 ; v1(99.5,7.275) IC13.27@99.5,7.95
ETH_LED_G: J1.17 R29.2 | length 82.9
  Top w0.2: v1(53.475,52.575) J1.17@54.085,52.575
  L3 w0.1: v1(52.85,60.925) 53.262,61.337 53.262,61.87 60.342,68.95 66.775,68.95 69.3,71.475 69.3,84.291 71.5,86.491 71.5,94.858 73.5,96.858 73.5,105.6 75.575,107.675 84,107.675 v1(85.45,106.225)
  Bottom w0.2: v1(52.85,60.925) 51.6,59.675 51.6,52.55 52.1,52.05 52.95,52.05 v1(53.475,52.575)
  Bottom w0.4: v1(85.45,106.225) R29.2@86.15,106.225
ETH_LED_Y: J1.15 R30.2 | length 71.2
  Top w0.2: J1.15@54.085,52.975 v1(54.695,52.975)
  L3 w0.1: v1@53.462,60.938 53.462,61.787 60.425,68.75 66.858,68.75 69.5,71.392 69.5,84.208 71.7,86.408 71.7,94.775 73.7,96.775 73.7,105.225 v1(74.7,106.225)
  Bottom w0.2: v1@53.462,60.938 52.65,60.125 52.65,57.7 51.95,57 51.95,52.634 52.234,52.35 52.675,52.35 53.3,52.975 v1(54.695,52.975)
  Bottom w0.4: v1(74.7,106.225) R30.2@75.4,106.225
  other v1: 53.475,60.925
ETH_TRD0_N: J1.10 J9.2 VD2.A | length 58
  Top w0.2: J1.10@57.165,54.175 57.558,54.175 59.275,55.892 59.275,56.206 89.445,86.376 J9.2@89.445,95.815 J9.2@89.985,95.815
  Bottom w0.5: VD2.A@88.15,97.475 88.2,97.425 88.2,97.06 J9.2@89.445,95.815
ETH_TRD0_P: J1.12 J9.1 VD1.A | length 56.8
  Top w0.2: J1.12@57.165,53.775 57.639,53.775 59.615,55.751 59.615,56.065 90.675,87.125 90.675,87.45 89.8,88.325 89.8,88.85 90.525,89.575 90.525,90 89.75,90.775 89.75,91.1 90.715,92.065 J9.1@90.715,93.275
  Bottom w0.5: VD1.A@90.045,91.675 90.045,92.478 J9.1@90.715,93.148
ETH_TRD1_N: J1.6 J9.6 VD4.A | length 57.7
  Top w0.2: J1.6@57.165,54.975 56.751,54.975 56.19,55.536 56.19,56.771 71.119,71.7 73.2,71.7 80,78.5 80,80.356 80.434,80.79 82.19,80.79 82.825,81.425 82.825,83.15 81.725,84.25 81.725,88.331 84.365,90.971 J9.6@84.365,95.815
  Bottom w0.5: VD4.A@84.35,97.175 84.357,97.167 J9.6@84.357,95.822
ETH_TRD1_P: J1.4 J9.3 VD3.A | length 56.8
  Top w0.2: J1.4@57.165,55.375 56.832,55.375 56.53,55.677 56.53,56.63 71.26,71.36 73.341,71.36 80.3,78.319 80.3,80.175 80.575,80.45 82.331,80.45 83.125,81.244 83.125,83.331 82.065,84.391 82.065,88.19 84.8,90.925 85.825,90.925 J9.3@88.175,93.275
  Bottom w0.5: VD3.A@88.175,91.675 J9.3@88.175,93.275
ETH_TRD2_N: J1.9 J9.8 VD6.A | length 58
  Top w0.2: J1.9@54.085,54.175 54.418,54.175 54.72,54.477 54.72,56.601 75.584,77.465 77.309,77.465 78.9,79.056 78.9,80.781 79.984,81.865 81.059,81.865 81.51,82.316 81.51,82.984 80.45,84.044 80.45,88.956 81.35,89.856 81.35,92.375 81.825,92.85 J9.8@81.825,95.815
  Bottom w0.5: J9.8@81.825,95.815 82.925,96.915 82.925,97.425 VD6.A@82.975,97.475
ETH_TRD2_P: J1.11 J9.7 VD5.A | length 58
  Top w0.2: J1.11@54.085,53.775 54.499,53.775 55.06,54.336 55.06,56.46 75.725,77.125 77.45,77.125 79.2,78.875 79.2,80.6 80.125,81.525 81.2,81.525 81.85,82.175 81.85,83.125 80.79,84.185 80.79,88.815 81.925,89.95 82.7,89.95 83.125,90.375 83.125,90.875 82.725,91.275 81.875,91.275 81.7,91.45 81.7,91.85 83.095,93.245 J9.7@83.095,93.275
  Bottom w0.5: J9.7@83.095,93.275 83.1,93.27 VD5.A@83.1,91.675
ETH_TRD3_N: J1.5 J9.10 VD8.A | length 58.3
  Top w0.2: J1.5@54.085,54.975 53.671,54.975 53.11,55.536 53.11,56.369 55.025,58.284 55.025,61.975 55.875,62.825 57.656,62.825 58.256,62.225 59.05,62.225 59.65,62.825 59.65,64.275 61.165,65.79 62.69,65.79 75.375,78.475 76.425,78.475 78,80.05 78,81.731 79.335,83.066 J9.10@79.335,95.5
  Bottom w0.5: VD8.A@78.6,94.025 78.6,95.018 79.285,95.703 J9.10@79.285,95.815
ETH_TRD3_P: J1.3 J9.9 VD7.A | length 57.5
  Top w0.2: J1.3@54.085,55.375 53.752,55.375 53.45,55.677 53.45,56.228 55.775,58.553 55.775,59.15 55.375,59.55 55.375,60.101 55.775,60.501 55.775,60.85 55.325,61.3 55.325,61.851 55.999,62.525 57.475,62.525 58.115,61.885 59.191,61.885 59.99,62.684 59.99,64.134 61.306,65.45 62.831,65.45 75.481,78.1 77.006,78.1 78.325,79.419 78.325,81.575 79.675,82.925 79.675,88.825 80.555,89.705 80.555,90.077 80.325,90.307 80.325,90.593 80.555,90.823 80.555,91.195 79.725,92.025 79.725,92.445 J9.9@80.555,93.275
  Bottom w0.5: J9.9@80.555,93.148 81.225,92.478 VD7.A@81.225,91.675
ETH_VC1: BR1.4 J9.11 J13.2 | length 24.7
  L3 w1.3: J13.2@86.071,85.079 88.929,85.079 94.525,90.675 v1@94.525,93.1 ; J9.11@90.715,98.335 J9.11@90.736,98.314
  Bottom w1.3: J9.11@90.715,98.335 92.15,96.9 95.75,96.9 96.575,96.075 BR1.4@96.575,94.85 96.575,94.2 95.475,93.1 94.225,93.1
  other v1: 94.4,92.95 94.975,92.95 94.2,93.425 94.75,93.425
ETH_VC2: BR1.3 J9.12 J13.1 | length 31.7
  L3 w1.3: J13.1@86.071,87.621 88.846,87.621 92.725,91.5 92.725,93.725 93.95,94.95 ; J9.12@88.125,99.79 88.125,103.61 89.15,104.635 92.425,104.635 94.95,102.11 94.95,96.81 94.125,95.985 94.125,95.035
  other v1: 93.525,94.535 94.725,94.535 93.525,95.135 94.725,95.135
ETH_VC3: BR2.4 J9.13 J13.4 | length 31.1
  L3 w1.3: 75.563,94.7 75.563,93.045 J13.4@83.529,85.079 ; 75.625,96.3 75,96.925 75,101.925 77.71,104.635 80.615,104.635 81.825,103.425 J9.13@81.825,99.605
  other v1: 75.025,95.05 76.225,95.05 75.025,95.65 76.225,95.65
ETH_VC4: BR2.3 J9.14 J13.3 | length 21.6
  L3 w1.3: J9.14@79.285,98.335 77.55,96.6 77.55,93.6 J13.3@83.529,87.621
  Bottom w1.3: BR2.3@73.225,95.35 73.225,96.075 74.24,97.09 78.011,97.09 79.256,98.335 J9.14@79.285,98.335
EXT_SYNC_IN: J34.1 J38.3 J39.3 J40.3 J41.3 | length 160.9
  Top w0.325: J40.3@30.499,9.025 J41.3@30.499,15.075 32.099,16.675 40.799,16.675 J38.3@42.399,15.075 J39.3@42.399,9.025
  L3 w0.1: 3.578,56.253 ccw(c4.796,55.037) 3.075,55.037 3.075,49.891 cw(c1.709,49.891) 2.675,48.925 2.669,48.919 ccw(c4.465,47.123) 1.925,47.123 1.925,27.927 ccw(c4.465,27.927) 2.669,26.131 6.181,22.619 ccw(c7.615,24.053) 7.615,22.025 9.662,22.025 cw(c9.662,19.46) 11.476,21.274 13.833,18.917 ccw(c15.625,20.71) 15.625,18.175 26.336,18.175 cw(c26.336,15.61) 28.15,17.424 J41.3@30.499,15.075 ; 3.579,56.254 4.489,57.164 ccw(c3.135,58.518) 5.05,58.518 5.05,58.75 ccw(c3.662,58.75) 4.643,59.732 3.633,60.742 cw(c5.042,62.15) 3.05,62.15 3.05,66.83 ccw(c1.855,66.83) 2.7,67.675 1.994,68.381 cw(c3.79,70.177) 1.25,70.177 1.25,76.032 ccw(c0.542,76.032) 1.043,76.532 0.872,76.703 cw(c1.227,77.058) 0.725,77.058 0.725,99.098 cw(c2.002,99.098) 2.002,100.375 16.923,100.375 ccw(c16.923,102.915) 18.719,101.119 22.131,104.531 cw(c23.927,102.735) 23.927,105.275 J34.1@26.2,105.275
EXT_SYNC_OUT: J36.3 J36.4 J37.1 | length 173.3
  Top w0.325: J36.4@157.329,65.596 J36.3@159.871,65.596 160.381,66.106 ccw(c158.585,67.902) 161.125,67.902 v1(161.125,72.525)
  L3 w0.1: J37.1@41.2,105.275 47.923,105.275 ccw(c47.923,107.815) 49.719,106.019 cw(c51.122,104.616) 51.122,106.6 64.373,106.6 ccw(c64.373,109.14) 66.169,107.344 66.425,107.6 cw(c67.874,106.151) 67.874,108.2 91.798,108.2 cw(c91.798,105.66) 93.594,107.456 96.506,104.544 cw(c94.71,102.748) 97.25,102.748 97.25,93.252 cw(c96.823,93.252) 97.125,92.95 97.075,92.9 ccw(c97.437,92.538) 96.925,92.538 96.925,83.027 ccw(c99.465,83.027) 97.669,81.231 102.631,76.269 cw(c100.835,74.473) 103.375,74.473 103.375,67.777 ccw(c105.915,67.777) 104.119,65.981 108.306,61.794 ccw(c110.102,63.59) 110.102,61.05 125.073,61.05 ccw(c125.073,63.59) 126.869,61.794 133.881,68.806 cw(c135.677,67.01) 135.677,69.55 144.975,69.55 ccw(c144.975,72.09) 146.771,70.294 149.883,73.406 cw(c151.679,71.61) 151.679,74.15 156.8,74.15 cw(c156.8,72.158) 158.208,73.567 158.625,73.15 ccw(c160.134,74.659) 160.134,72.525 v1(161.125,72.525)
EXT_USB_D_N: IC20.6 J26.A7 J26.B7 | length 152.5
  Top w0.2: v1(52.225,99.05) 53.675,100.5 J26.A7@53.675,101.295 ; v1(72,16.65) 72.275,16.65 72.375,16.75 IC20.6@72.375,17.15
  L3 w0.2: v1(52.225,99.05) 52.625,98.65 53.05,98.65 54.325,99.925 J26.B7@54.325,102.545
  L4 w0.1: v1(52.225,99.05) 52.225,99.041 52.425,98.841 52.425,96.75 53.55,95.625 53.55,88.167 52.55,87.167 52.55,64.175 46.8,58.425 37.492,58.425 34.475,55.408 34.475,40.5 31.875,37.9 31.875,27.225 30.15,25.5 30.15,19.925 31.8,18.275 36.2,13.875 44.558,13.875 49.408,18.725 71.6,18.725 72.475,17.85 72.475,17.125 v1(72,16.65)
EXT_USB_D_P: IC20.7 J26.A6 J26.B6 | length 152.5
  Top w0.2: v1(52.825,99.05) 54.175,100.4 J26.A6@54.175,101.295 ; IC20.7@72.775,17.15 72.775,16.75 72.875,16.65 v1(73.15,16.65)
  L3 w0.2: v1(52.825,99.05) 52.6,99.275 52.6,99.75 52.806,99.956 53.756,99.956 53.975,100.175 53.975,101.25 53.775,101.45 53.35,101.45 53.15,101.65 53.15,102.17 J26.B6@53.525,102.545
  L4 w0.1: v1(52.825,99.05) 52.825,99.041 52.625,98.841 52.625,96.833 53.75,95.708 53.75,88.084 52.75,87.084 52.75,64.092 46.883,58.225 37.575,58.225 34.675,55.325 34.675,40.417 32.075,37.817 32.075,27.142 30.35,25.417 30.35,20.008 31.883,18.475 36.283,14.075 44.475,14.075 49.325,18.925 71.4,18.925 71.683,18.925 72.675,17.933 72.675,17.125 v1(73.15,16.65)
FAN_CTRL: IC13.4 R83.2 R86.1 R87.1 | length 170
  L3 w0.1: v1(5.65,31.175) 8.325,33.85 8.325,34.775 10.525,36.975 10.525,37.875 12.725,40.075 28.05,40.075 28.95,39.175 28.95,34.175 30.925,32.2 30.925,26.375 30.725,26.175 30.725,21.225 30.375,20.875 30.375,18.2 31.475,17.1 31.475,14.1 28.825,11.45 24.26,11.45 15.425,2.615 15.425,1.2 15.875,0.75 57.875,0.75 59.7,2.575 90.425,2.575 v1(92.825,4.975)
  Bottom w0.25: v1(92.825,4.975) 92.825,7.1 93.825,8.1 93.825,9.85 94.85,10.875 IC13.4@97.875,10.875
  Bottom w0.4: R83.2@4.525,32.3 v1(5.65,31.175) ; R86.1@5.65,30.3 v1(5.65,31.175) ; R87.1@6.75,30.875 6.45,31.175 v1(5.65,31.175)